# Altium PCB LimeSDR_1v2.PcbDoc (part 8 of 9) (continued)
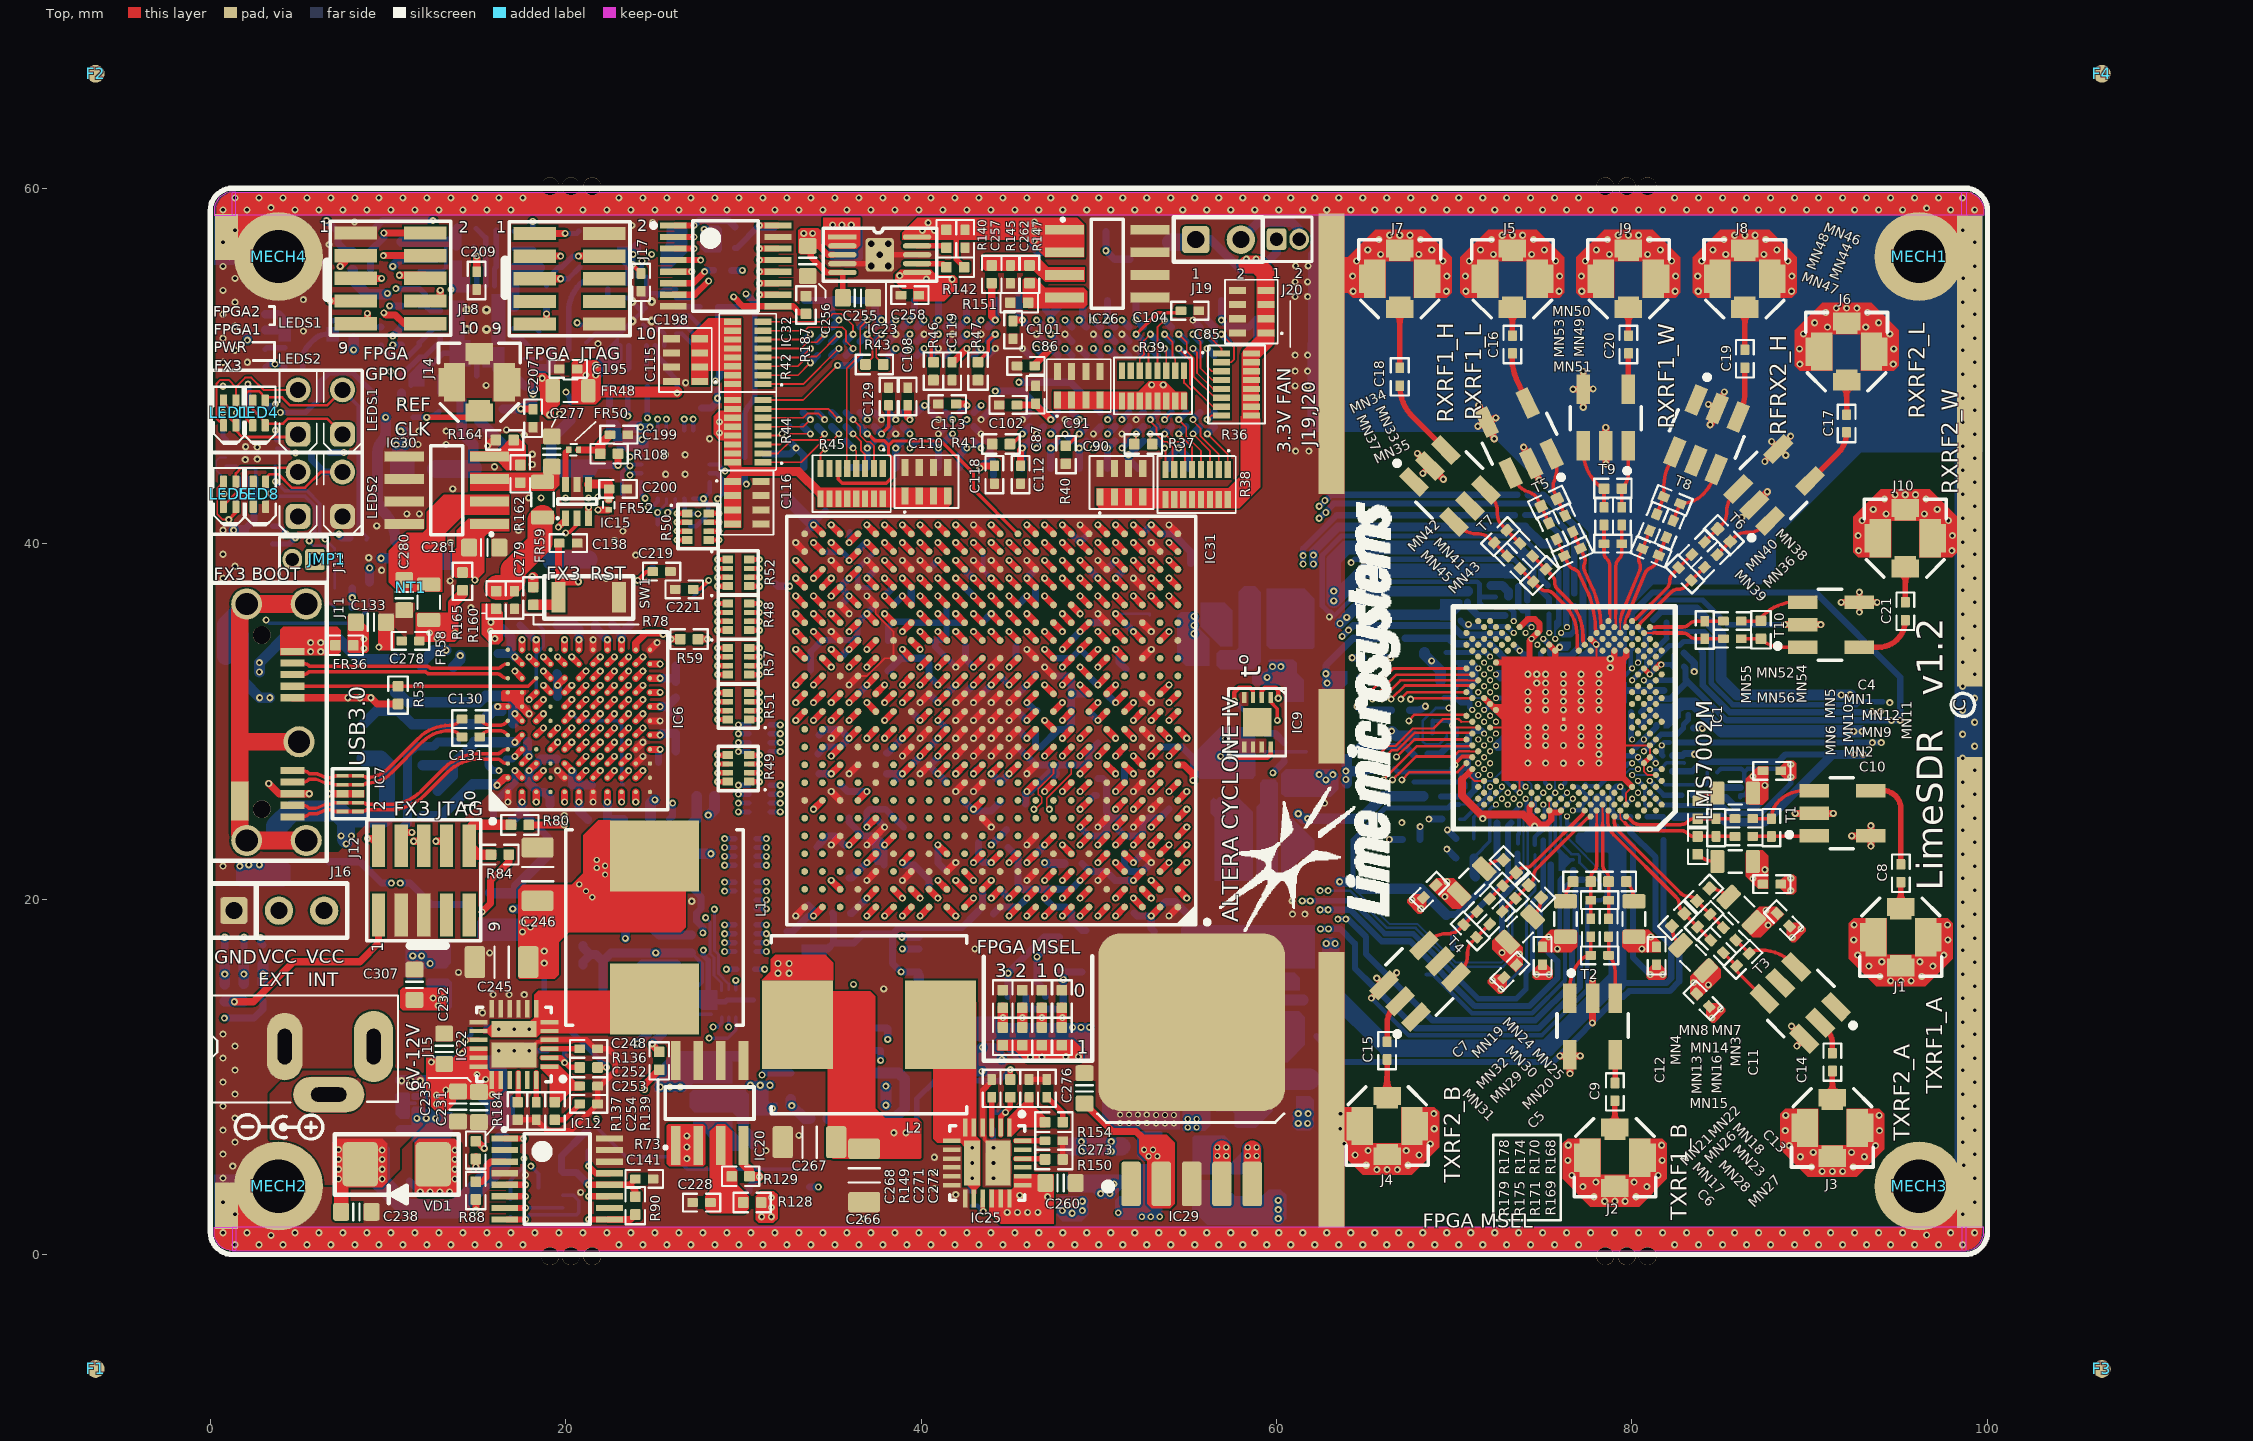
[diagram p0: Top view]
## Nets (pads, with @x,y where several pads share a name; then routed paths per layer and width w, separated by ;. In a path a pad name is that pad's centre, name@x,y a point inside that pad or via, vN(x,y) a via of type N, cw(c..) or ccw(c..) an arc to the next point about the centre after c; other vN are vias at no path point) (continued)
  Bottom w0.5: C153.1@17,24.5 17.1,24.5 17.55,24.95 ; v2(17.55,25.459) 17.55,24.95 ; C152.2@18,24.5 17.55,24.95
  Bottom w0.6: FR39.2@15.775,20.35 15.8,20.325 C150.2@17.225,20.325 17.225,20.725 19,22.5 C151.1@19,23.275
VCC3P3_SI: C217.1 C218.1 IC17.18 IC17.20 R115.1 | length 4.5
  L8 w0.4: v1(23.625,44.375) 23.95,44.375 24.3,44.725 v1(24.3,45.85)
  Bottom w0.25: C217.1@23.275,42.7 23.175,42.8 23.175,44.001 23.549,44.375 v1(23.625,44.375) 23.7,44.45 IC17.18@24.25,44.45
VCC5P0_USB: C132.1 C239.2 FR36.1 IC19.A1 IC19.B1 IC19.C1 J11.1 R124.2 | length 1.1
  Bottom w0.5: C132.1@10.675,7.05 11.725,7.05 11.775,7.1
  other v1: 11.638,7.663 12.163,7.663 12.688,7.663 5.65,33.925 6.225,33.925 5.65,34.425 6.225,34.425
VCC_EXT: C238.2 IC19.A4 IC19.B4 IC19.C4 R122.2 VD1.K | length 12
  Top w0.8: C238.2@7.375,2.4 7.375,4
  Bottom w1.1: 9.125,4.525 11.075,2.575 13.823,2.575 16.4,5.152 R122.2@16.4,6.375
  other v1: 7.225,4.25 9.675,4.25 7.225,4.8 9.675,4.8 7.225,5.35 9.675,5.35 9.675,5.875 7.225,5.9 10.775,9.775 11.3,9.775 11.825,9.775
VCC_INT: C231.2 C232.2 C233.2 C234.2 C235.2 C236.1 C241.2 C260.2 C278.2 FR58.1 IC19.A2 IC19.A3 IC19.B3 IC19.C3 IC22.16 IC22.17 IC22.18 IC22.19 IC22.20 IC25.16 IC25.17 IC25.18 IC25.19 IC25.20 J16.3 R122.1 R124.1 R165.2 R173.1 | length 54.2
  Top w0.6: 13.675,35.65 13.675,36.65 14.2,37.175 R165.2@14.2,37.375
  L3 w2: 13.7,35.425 12.775,35.425 11.825,34.475 11.825,31.945 12.85,30.92 12.85,26.163 21.3,17.713 21.3,11.725
  L4 w0.35: v1(9.975,54.075) 10.175,53.875 10.525,53.875 12.675,51.725 12.675,35.3 v1(12.35,34.975)
  Bottom w0.6: R173.1@8.025,55.375 8.025,54.825 8.824,54.026 v1@9.926,54.026
  other v1: 44.85,2.375 45.425,2.375 46,2.375 46.575,2.375 47.125,3.25 45.55,3.325 12.738,8.463 12.738,8.963 15.875,9 13.263,9.263 15.5,9.85 15.025,10.125 12.45,10.825 14.175,11.3 12.775,34.675 13.775,34.975
VDD_FX3: C164.2 C165.1 C166.1 C167.1 C168.1 C169.1 C170.1 C171.1 C172.1 C173.2 C174.2 C175.2 C176.2 C177.2 C178.2 C179.2 C180.2 FR46.2 IC6.B10 IC6.C3 IC6.E9 IC6.F11 IC6.H1 IC6.J11 IC6.L5 IC6.L7 | length 22.2
  Top w0.4: v2(17.15,33.625) IC6.B10@17.55,33.225 ; v2(17.95,27.225) IC6.C3@18.35,27.625 ; v2(19.55,32.025) IC6.E9@19.95,32.425 ; IC6.F11@20.75,34.025 v2(20.75,34.591) ; v2(22.35,25.459) IC6.H1@22.35,26.025 ; IC6.J11@23.15,34.025 v2(23.15,34.591) ; IC6.L5@24.75,29.225 v2(25.316,29.225) ; IC6.L7@24.75,30.825 v2(25.316,30.825)
  Bottom w0.5: 16.2,33.825 16.9,33.825 ; C179.2@16.45,35.225 16.925,34.75 16.925,33.85 16.9,33.825 ; v2(17.15,33.625) 16.95,33.825 16.9,33.825 ; C172.1@19.125,25.325 19.125,25.684 18.8,26.009 18.491,26.009 17.95,26.55 17.95,27.203 18.622,27.875 C180.2@19.5,27.875 ; C178.2@19.5,32.7 19.55,32.65 C170.1@19.55,31.4 ; C165.1@19.525,35.425 C173.2@20.525,35.425 20.75,35.2 v2(20.75,34.591) ; v2(22.35,25.459) 22.35,24.475 C177.2@23.275,24.475 ; C166.1@22.625,35.425 23.1,34.95 23.15,34.95 ; v2(23.15,34.591) 23.15,34.95 ; C174.2@23.625,35.425 23.15,34.95 ; v2(25.316,29.225) 25.416,29.325 C176.2@26.2,29.325 C168.1@26.2,28.325 ; v2(25.316,30.825) 25.7,30.825 ; C175.2@26.2,30.325 25.7,30.825 ; C167.1@26.2,31.325 25.7,30.825
  other v1: 1.675,21.85 2.175,21.925 2.775,21.925
VDIO_LMS: C2.2 C3.2 C225.2 C226.1 FR53.2 IC2.8 IC3.1 IC3.2 IC3.3 IC3.8 R3.1 R5.1 R6.1 R7.2 R8.2 R14.1 R15.1 R17.1 R19.1 R21.1 R23.1 R24.1 | length 129.7
  L3 w0.4: v1(38.875,15.9) 42.3,12.475 48.05,12.475 48.6,11.925 49.275,11.925 49.987,11.212 ; v1(43.95,23.05) 44.45,22.55 44.45,18 46.975,15.475 v1(48,15.475) 47.45,16.025 47.45,21.55 v1(46.95,22.05)
  L3 w0.8: 63.65,30.35 63.65,31.985 66.04,34.375 67.75,34.375 v1(68.725,33.4)
  L3 w1: v1(48,15.475) 49.25,15.475 51.075,13.65 ; 63.65,30.35 64.525,29.475 66.76,29.475 67.26,28.975
  L3 w1.5: 49.8,6.2 49.8,10.5 51.075,11.775 51.075,14.25 61.125,24.3 65.075,24.3 66.425,25.65 67.485,25.65 68.45,26.615 68.45,27.785 67.26,28.975
  L5 w0.6: v1(68.725,33.4) 69.75,34.425 72.25,34.425 73.087,33.587 73.087,28.987 72.725,28.625
  Bottom w0.4: IC3.3@33.975,17.2 34.75,17.2 35.075,17.525 ; R8.2@35.025,19.2 R8.2@35.075,19.15 35.075,17.525 ; IC3.8@39.875,15.9 v1(38.875,15.9) 38.4,16.375 38.4,18.032 ; R6.1@43.45,20.55 43.45,19.55 R5.1@43.075,19.175 42.3,18.4 38.768,18.4 38.4,18.032 ; v1(43.95,23.05) R7.2@44.8,23.9 ; R14.1@45.9,14.525 45.9,14.05 46.125,13.825 47.775,13.825 48,14.05 R15.1@48,14.525 v1(48,15.475) 48,15.675 IC2.8@47.775,15.9 C2.2@49.05,15.9 ; 35.075,17.525 36.225,17.525 36.732,18.032 38.4,18.032
  Bottom w0.5: v1@46.97,22.03 47,22 R3.1@48.05,22
  Bottom w0.6: C3.2@39.875,15.175 39.875,15.65 ; v1@61.231,24.794 61.5,24.525 v1(61.75,24.525) 64.747,24.525 65.997,25.775 R21.1@68.25,25.775 ; v1(66.475,29.45) 66.75,29.175 67.751,29.175 R19.1@67.751,29.169 ; R23.1@68.326,33.869 68.326,33.738 69.226,32.838 R17.1@69.226,32.294 ; 72.577,28.644 R24.1@72.951,29.019
  Bottom w1: C226.1@48.525,6.075 C225.2@51.275,6.075
  other v1: 49.025,5.8 50.7,5.8 49.025,6.35 50.7,6.35 61.225,24.8
  other v4: 72.351,28.644
VDIO_LMS_FPGA: C316.2 C317.2 C318.2 C319.2 C320.1 C332.1 C333.1 C334.1 C335.1 C336.1 C337.1 C338.1 C339.1 C340.1 C341.1 C342.1 C343.1 C344.1 C345.1 FR49.1 FR53.1 IC31.A2 IC31.A21 IC31.D5 IC31.D9 IC31.D11 IC31.D12 IC31.D14 IC31.D16 IC31.D18 IC31.E8 IC31.E19 IC31.G19 IC31.J20 IC31.L19 R64.1 R123.1 R125.1 | length 142.4
  Top w0.4: v2(33.95,19.05) IC31.A21@34.45,19.55 ; v2(34.95,27.05) IC31.J20@35.45,27.55 ; v2(35.95,23.05) IC31.E19@36.45,23.55 ; v2(35.95,29.05) IC31.L19@36.45,29.55 ; IC31.G19@36.45,25.55 v2(36.95,26.05) ; v2(36.95,22.05) IC31.D18@37.45,22.55 ; v2(38.95,22.05) IC31.D16@39.45,22.55 ; v1(40.95,23.05) IC31.D14@41.45,22.55 ; v2(42.95,22.05) IC31.D12@43.45,22.55 ; v2(43.95,22.05) IC31.D11@44.45,22.55 ; v2(45.95,22.05) IC31.D9@46.45,22.55 ; v2(46.95,23.05) IC31.E8@47.45,23.55 ; v2(49.95,22.05) IC31.D5@50.45,22.55 ; v2(52.95,19.05) IC31.A2@53.45,19.55
  L9 w0.35: v1(0.8,13.3) 2.175,13.3 4.175,15.3 28.725,15.3 29.225,14.8 30.175,14.8 30.6,15.225 30.6,19.983 30.825,20.208 30.825,21.147 31.103,21.425 31.575,21.425 v2(33.95,19.05)
  L6 w0.6: v1@27.825,57.675 27.825,56.575 28.65,55.75 28.65,54.526 28.299,54.175 27.376,54.175 26.501,55.05 23.05,55.05 21.325,56.775 19.476,56.775 19.125,56.424 19.125,54.575 20.05,53.65 20.05,52.176 21.576,50.65 21.949,50.65 22.9,49.699 22.9,46.225 22.225,45.55 22.225,43.3 27.375,38.15 27.375,26.375 29.65,24.1 34.9,24.1 v2(35.95,23.05) v2(36.95,22.05)
  Bottom w0.4: v1(0.8,13.3) 2.475,13.3 2.975,13.8 R64.1@2.975,14.25 ; C339.1@32.45,18.175 32.782,18.175 33.657,19.05 v2(33.95,19.05) 33.95,19.375 C335.1@33.675,19.65 ; C317.2@34.15,22.925 34.275,23.05 34.275,23.082 34.743,23.55 35.157,23.55 35.657,23.05 v2(35.95,23.05) ; C340.1@34.2,28.175 34.575,28.55 35.45,28.55 v2(35.95,29.05) 35.45,29.55 34.6,29.55 C332.1@34.275,29.225 ; C341.1@34.25,27.05 34.93,27.05 v2@34.94,27.04 ; C342.1@35.475,26.45 35.875,26.05 v2(36.95,26.05) ; C316.2@35.95,21.175 36.075,21.175 v2(36.95,22.05) ; v2(38.95,22.05) 39.1,21.9 C337.1@39.525,21.9 39.625,21.9 40.45,21.075 C319.2@40.45,20.575 ; v1(40.95,23.05) 40.95,22.025 C343.1@41.425,21.55 ; v2(42.95,22.05) 43.225,22.325 ; C338.1@43.225,23.175 43.225,22.325 ; v2(43.95,22.05) 43.5,22.05 43.225,22.325 ; v2(45.95,22.05) 46.425,22.525 C333.1@46.45,22.525 46.95,23.025 v2(46.95,23.05) ; v2(49.95,22.05) 50.45,22.55 C336.1@50.45,22.575 ; C344.1@51.975,19.225 52.15,19.05 v2(52.95,19.05) ; C345.1@53.125,18.175 52.95,18.35 v2(52.95,19.05) ; C318.2@54.95,19.2 54.3,19.85 C334.1@53.75,19.85 v2(52.95,19.05)
  Bottom w0.6: R125.1@48.5,3.975 R123.1@51.35,3.975
  other v1: 50.1,3.425 50.625,3.425 50.85,3.975 27.8,57.225 27.8,57.675
VDIO_LMS_LMK: C190.2 C191.2 C192.2 C193.2 C194.2 C198.2 FR49.2 IC13.14 IC13.18 | length 2.7
  Top w0.25: v1(23.775,55.7) 23.775,55.675 C198.2@24.25,55.2
  Bottom w0.25: IC13.14@23.55,54.988 IC13.14@23.55,55.325
  Bottom w0.4: C191.2@27.65,47.625 28.175,47.625 28.55,48 C194.2@28.55,48.625
  other v1: 23.8,56.275 24.838,56.275
  other v2: 28.55,48.175
VREF_DDR2: C104.1 C129.1 C258.1 C282.1 C283.1 C284.1 C285.1 C286.1 C287.1 C288.1 C289.1 C290.1 C291.1 C292.1 C293.1 IC4.J2 IC5.J2 IC23.6 IC31.AA18 IC31.AB4 IC31.M5 IC31.P5 IC31.R5 IC31.T3 IC31.U11 IC31.V9 IC31.V12 IC31.V16 IC31.W14 IC31.Y4 | length 29.9
  Top w0.2: v1(37.775,46.175) 38.175,46.575 C129.1@38.175,47.725 ; v1(52.1,51.775) 53.3,52.975 C104.1@54.425,52.975
  Top w0.4: v2(36.95,40.05) IC31.AA18@37.45,39.55 ; v2(38.95,37.05) IC31.V16@39.45,36.55 ; v2(40.95,38.05) IC31.W14@41.45,37.55 ; v2(42.95,37.05) IC31.V12@43.45,36.55 ; v2(43.95,36.05) IC31.U11@44.45,35.55 ; v2(45.95,37.05) IC31.V9@46.45,36.55 ; v2(49.95,30.05) IC31.M5@50.45,30.55 ; v2(49.95,32.05) IC31.P5@50.45,32.55 ; v2(49.95,33.05) IC31.R5@50.45,33.55 ; v2(50.95,39.05) IC31.Y4@51.45,38.55 ; v2(50.95,41.05) IC31.AB4@51.45,40.55 ; v2(51.95,35.05) IC31.T3@52.45,34.55
  L3 w0.4: v2(49.95,30.05) 49.45,30.55 49.45,31.55 v2(49.95,32.05)
  L4 w1: v2(49.95,32.05) v2(49.95,33.05) 51.55,33.05 51.95,33.45 v2(51.95,35.05)
  Bottom w0.4: C282.1@36.425,39.575 36.9,40.05 v2(36.95,40.05) ; IC5.J2@37.375,46.575 v1(37.775,46.175) ; C283.1@38.45,36.6 38.5,36.6 v2(38.95,37.05) ; v2(40.95,38.05) C284.1@41.45,37.55 ; C285.1@42.425,37.525 42.475,37.525 v2(42.95,37.05) ; C286.1@43.425,35.525 v2(43.95,36.05) ; C287.1@45.475,36.575 v2(45.95,37.05) ; C291.1@49.425,32.55 49.925,32.05 v2(49.95,32.05) ; C293.1@49.45,30.525 49.475,30.525 v2(49.95,30.05) C292.1@50.425,30.525 ; C289.1@50.45,38.525 50.95,39.025 v2(50.95,39.05) ; v2(50.95,41.05) 51.425,40.575 C288.1@51.45,40.575 ; C290.1@51.425,35.575 v2(51.95,35.05) ; v1(52.1,51.775) IC4.J2@52.5,51.375
  other v1: 40.3,54.875 41.75,54.875 38.8,55.075
VTT_DDR2: C85.1 C85.2 C85.3 C85.4 C90.1 C90.2 C90.3 C90.4 C91.1 C91.2 C91.3 C91.4 C110.1 C110.2 C110.3 C110.4 C115.1 C115.2 C115.3 C115.4 C116.1 C116.2 C116.3 C116.4 C255.2 C256.2 IC23.3 IC23.5 R36.9 R36.10 R36.11 R36.12 R36.13 R36.14 R36.15 R36.16 R38.9 R38.10 R38.11 R38.12 R38.13 R38.14 R38.15 R38.16 R39.9 R39.10 R39.11 R39.12 R39.13 R39.14 R39.15 R39.16 R42.9 R42.10 R42.11 R42.12 R42.13 R42.14 R42.15 R42.16 R44.9 R44.10 R44.11 R44.12 R44.13 R44.14 R44.15 R44.16 R45.9 R45.10 R45.11 R45.12 R45.13 R45.14 R45.15 R45.16 | length 73
  Top w0.3: IC23.5@35.575,55.25 35.6,55.225 C255.2@35.6,53.825
  Top w0.35: C256.2@33.625,56.75 C256.2@33.8,56.75 ; IC23.3@35.075,56.25 34.75,56.25 34.25,56.75 C256.2@33.8,56.75 ; IC23.5@35.575,55.25 34.698,55.25 33.8,56.148 C256.2@33.8,56.75
  Top w0.5: 29.65,44.1 29.7,44.05 33.1,44.05 R45.9@34.35,42.8
  Top w1: 58.35,55.7 58.9,55.7 59.375,55.225 59.375,51.45 58.525,50.6 58.525,46.275
  L5 w0.8: 44.85,53.875 45,53.725 45,50.685 46.76,48.925 v1(53.625,48.925)
  L5 w1.2: 28.825,46.525 31.25,48.95 31.25,51.725 33.675,54.15 33.95,53.875 44.85,53.875 54.175,53.875 55.9,55.6 58.75,55.6
  L5 w2: 33.675,54.15 33.675,57.375
  other v1: 28.65,46.225 28.65,46.85 52.975,48.925 58.3,56 58.85,56 33.4,57.45 33.9,57.45
pads on no net: C1.0 C2.0 C3.0 C4.0 C5.0 C6.0 C7.0 C8.0 C9.0 C10.0 C11.0 C12.0 C13.0 C14.0 C15.0 C16.0 C17.0 C18.0 C19.0 C20.0 C21.0 C81.0 C82.0 C83.0 C84.0 C86.0 C87.0 C88.0 C89.0 C92.0 C93.0 C94.0 C95.0 C96.0 C97.0 C98.0 C99.0 C100.0 C101.0 C102.0 C103.0 C104.0 C105.0 C106.0 C107.0 C108.0 C109.0 C111.0 C112.0 C113.0 C114.0 C117.0 C118.0 C119.0 C120.0 C121.0 C122.0 C123.0 C124.0 C125.0 C126.0 C127.0 C128.0 C129.0 C130.0 C131.0 C132.0 C133.0 C134.0 C135.0 C136.0 C137.0 C138.0 C139.0 C140.0 C141.0 C142.0 C143.0 C144.0 C145.0 C146.0 C147.0 C148.0 C149.0 C150.0 C151.0 C152.0 C153.0 C154.0 C155.0 C156.0 C157.0 C158.0 C159.0 C160.0 C161.0 C162.0 C163.0 C164.0 C165.0 C166.0 C167.0 C168.0 C169.0 C170.0 C171.0 C172.0 C173.0 C174.0 C175.0 C176.0 C177.0 C178.0 C179.0 C180.0 C181.0 C182.0 C183.0 C184.0 C185.0 C186.0 C187.0 C188.0 C189.0 C190.0 C191.0 C192.0 C193.0 C194.0 C195.0 C196.0 C197.0 C198.0 C199.0 C200.0 C201.0 C202.0 C203.0 C204.0 C205.0 C206.0 C207.0 C208.0 C209.0 C210.0 C211.0 C212.0 C213.0 C214.0 C215.0 C216.0 C217.0 C218.0 C219.0 C220.0 C221.0 C222.0 C223.0 C224.0 C225.0 C226.0 C227.0 C228.0 C229.0 C230.0 C231.0 C232.0 C233.0 C234.0 C235.0 C236.0 C237.0 C238.0 C239.0 C240.0 C241.0 C242.0 C243.0 C244.0 C245.0 C246.0 C247.0 C248.0 C249.0 C250.0 C251.0 C252.0 C253.0 C254.0 C255.0 C256.0 C257.0 C258.0 C259.0 C260.0 C261.0 C262.0 C263.0 C264.0 C265.0 C266.0 C267.0 C268.0 C269.0 C270.0 C271.0 C272.0 C273.0 C274.0 C275.0 C276.0 C277.0 C278.0 C279.0 C280.0 C281.0 C282.0 C283.0 C284.0 C285.0 C286.0 C287.0 C288.0 C289.0 C290.0 C291.0 C292.0 C293.0 C294.0 C295.0 C296.0 C297.0 C298.0 C299.0 C300.0 C301.0 C302.0 C303.0 C304.0 C305.0 C306.0 C307.0 C308.0 C309.0 C310.0 C311.0 C312.0 C313.0 C314.0 C315.0 C316.0 C317.0 C318.0 C319.0 C320.0 C321.0 C322.0 C323.0 C324.0 C325.0 C326.0 C327.0 C328.0 C329.0 C330.0 C331.0 C332.0 C333.0 C334.0 C335.0 C336.0 C337.0 C338.0 C339.0 C340.0 C341.0 C342.0 C343.0 C344.0 C345.0 C346.0 C347.0 C348.0 C349.0 C350.0 C351.0 C352.0 C353.0 C354.0 C355.0 C356.0 C357.0 C358.0 C359.0 C360.0 C361.0 C362.0 C363.0 C364.0 C365.0 C366.0 C367.0 C368.0 C369.0 C370.0 C371.0 C372.0 C373.0 C374.0 C375.0 C376.0 C377.0 C378.0 C379.0 C380.0 C381.0 C382.0 C383.0 C384.0 C385.0 C386.0 C387.0 C388.0 C389.0 C390.0 C391.0 C392.0 C393.0 C394.0 C395.0 C396.0 C397.0 C398.0 C399.0 F1.1 F2.1 F3.1 F4.1 FR36.0 FR37.0 FR38.0 FR39.0 FR40.0 FR41.0 FR42.0 FR43.0 FR44.0 FR45.0 FR46.0 FR48.0 FR49.0 FR51.0 FR53.0 FR54.0 FR55.0 FR56.0 FR57.0 FR58.0 FR59.0 FR60.0 FR61.0 IC1.A5 IC1.A21 IC1.AA1 IC1.AA3 IC1.AA5 IC1.AB2 IC1.AB4 IC1.AB6 IC1.AC3 IC1.AC5 IC1.AD2 IC1.AE1 IC1.AE5 IC1.AG3 IC1.AG33 IC1.AH2 IC1.AH4 IC1.AH32 IC1.AJ1 IC1.AJ3 IC1.AJ5 IC1.AJ11 IC1.AJ13 IC1.AJ21 IC1.AJ27 IC1.AJ29 IC1.AJ31 IC1.AJ33 IC1.AK2 IC1.AK4 IC1.AK6 IC1.AK8 IC1.AK10 IC1.AK26 IC1.AK28 IC1.AK30 IC1.AK32 IC1.AK34 IC1.AL3 IC1.AL5 IC1.AL7 IC1.AL9 IC1.AL11 IC1.AL27 IC1.AL29 IC1.AL31 IC1.AL33 IC1.AM6 IC1.AM10 IC1.AM28 IC1.AM30 IC1.AM34 IC1.AN27 IC1.AN29 IC1.AN31 IC1.AP30 IC1.AP32 IC1.B2 IC1.B4 IC1.B22 IC1.C1 IC1.C3 IC1.C5 IC1.C9 IC1.C13 IC1.C15 IC1.C17 IC1.C19 IC1.C31 IC1.D2 IC1.D4 IC1.D8 IC1.D10 IC1.D12 IC1.D14 IC1.D18 IC1.D22 IC1.D30 IC1.D32 IC1.E3 IC1.E9 IC1.E11 IC1.E13 IC1.E15 IC1.E23 IC1.E29 IC1.E31 IC1.F2 IC1.F4 IC1.F10 IC1.F12 IC1.F14 IC1.F16 IC1.F22 IC1.F26 IC1.F32 IC1.G1 IC1.G29 IC1.J1 IC1.M2 IC1.M6 IC1.P2 IC1.R3 IC1.R5 IC1.T4 IC1.T6 IC1.U1 IC1.U3 IC1.U5 IC1.V2 IC1.V4 IC1.V6 IC1.W3 IC1.Y2 IC1.Y4 IC1.Y6 IC4.A2 IC4.E2 IC4.R3 IC4.R7 IC4.R8 IC5.A2 IC5.E2 IC5.R3 IC5.R7 IC5.R8 IC6.A11 IC6.C4 IC6.D1 IC6.D2 IC6.D3 IC6.D6 IC6.D7 IC6.D11 IC9.9 IC10.3 IC10.11 IC12.2 IC12.10 IC13.4 IC13.9 IC13.10 IC13.17 IC17.3 IC18.9 IC19.B2 IC19.D4 IC22.21 IC22.23 IC25.21 IC25.23 IC29.0 IC29.1 IC31.A20 IC31.B21 IC31.B22 IC31.C17 IC31.C19 IC31.C20 IC31.C21 IC31.C22 IC31.D13 IC31.D19 IC31.D21 IC31.D22 IC31.E7 IC31.E10 IC31.E11 IC31.E12 IC31.E14 IC31.E15 IC31.E16 IC31.E21 IC31.E22 IC31.F7 IC31.F8 IC31.F9 IC31.F10 IC31.F11 IC31.F13 IC31.F14 IC31.F15 IC31.F16 IC31.F17 IC31.F19 IC31.F20 IC31.F21 IC31.F22 IC31.G7 IC31.G8 IC31.G9 IC31.G10 IC31.G11 IC31.G13 IC31.G14 IC31.G15 IC31.G16 IC31.G17 IC31.G18 IC31.H10 IC31.H11 IC31.H14 IC31.H15 IC31.H16 IC31.H17 IC31.H19 IC31.H20 IC31.H21 IC31.H22 IC31.J17 IC31.J21 IC31.J22 IC31.K17 IC31.K18 IC31.K21 IC31.K22 IC31.L21 IC31.L22 IC31.N7 IC31.P1 IC31.P2 IC31.P3 IC31.P4 IC31.P17 IC31.R1 IC31.R2 IC31.U1 IC31.U2 J11.0 J12.7 J12.9 J17.6 J17.7 J17.8 LED1.0 LED4.0 LED5.0 LED8.0 LED8.2 LED8.4 MN1.0 MN2.0 MN3.0 MN4.0 MN5.0 MN6.0 MN7.0 MN8.0 MN9.0 MN10.0 MN11.0 MN12.0 MN13.0 MN14.0 MN15.0 MN16.0 MN17.0 MN18.0 MN19.0 MN20.0 MN21.0 MN22.0 MN23.0 MN24.0 MN25.0 MN26.0 MN27.0 MN28.0 MN29.0 MN30.0 MN31.0 MN32.0 MN33.0 MN34.0 MN35.0 MN36.0 MN37.0 MN38.0 MN39.0 MN40.0 MN41.0 MN42.0 MN43.0 MN44.0 MN45.0 MN46.0 MN47.0 MN48.0 MN49.0 MN50.0 MN51.0 MN52.0 MN53.0 MN54.0 MN55.0 MN56.0 R1.0 R2.0 R3.0 R4.0 R5.0 R6.0 R7.0 R8.0 R9.0 R10.0 R11.0 R12.0 R13.0 R14.0 R15.0 R16.0 R17.0 R18.0 R19.0 R20.0 R21.0 R22.0 R23.0 R24.0 R37.0 R39.7 R39.8 R40.0 R41.0 R43.0 R45.1 R45.7 R46.0 R47.0 R53.0 R54.0 R56.0 R59.0 R60.0 R63.1 R63.3 R64.0 R65.0 R66.0 R67.0 R68.0 R69.0 R70.0 R71.0 R72.0 R73.0 R74.0 R75.0 R76.0 R77.0 R78.0 R79.0 R80.0 R81.0 R82.0 R83.0 R84.0 R85.0 R86.0 R87.0 R88.0 R89.0 R90.0 R91.0 R92.0 R93.0 R94.0 R95.0 R96.0 R97.0 R98.0 R99.0 R100.0 R101.0 R102.0 R103.0 R104.0 R105.0 R106.0 R107.0 R108.0 R109.0 R110.0 R111.0 R112.0 R113.0 R114.0 R115.0 R116.0 R117.0 R118.0 R119.0 R120.0 R121.0 R122.0 R123.0 R124.0 R125.0 R126.0 R127.0 R128.0 R129.0 R130.0 R131.0 R132.0 R133.0 R134.0 R135.0 R136.0 R137.0 R138.0 R139.0 R140.0 R141.0 R142.0 R143.0 R144.0 R145.0 R146.0 R147.0 R148.0 R149.0 R150.0 R151.0 R152.0 R153.0 R154.0 R155.0 R156.0 R157.0 R158.0 R159.0 R160.0 R161.0 R162.0 R163.0 R164.0 R165.0 R166.0 R167.0 R168.0 R169.0 R170.0 R171.0 R172.0 R173.0 R174.0 R175.0 R176.0 R177.0 R178.0 R179.0 R180.0 R181.0 R182.0 R183.0 R184.0 R185.0 R186.0 R187.0 R188.0 R189.0 R190.0 T3.1 T3.5 T4.1 T4.5 T7.1 T7.5 T8.1 T8.5 VD1.0 VT1.0 XT1.0 XT2.3 XT5.0
copper on no net: | length 1.5
  Bottom w0.2: 17.675,50.4 18.65,50.4
  Bottom w0.4: 56.1,52.575 56.5,52.175

## Polygon pours and split planes (outlines as drawn)
GND on L8 "GND_L08_P031" (solid, remove dead copper, pour order 31): 0,1.27 0,58.73 cw(c1.27,58.73) 1.27,60 98.73,60 cw(c98.73,58.73) 100,58.73 100,1.27 cw(c98.73,1.27) 98.73,0 1.27,0 cw(c1.27,1.27)
VCC1P8_LMS on L8 "VCC1P8_LMS_L6" (solid, remove dead copper, pour order 11): 60.675,5.2 60.675,17.625 64.875,21.825 82.475,21.825 85.8,25.15 85.8,25.925 85.8,27.2 86.75,28.15 86.825,28.225 91.875,28.225 92.075,28.225 93.925,26.375 93.925,9.7 87.9,3.675 62.2,3.675
VCC3P3 on L8 "VCC3P3_L6" (solid, remove dead copper, pour order 1): 22.852,22.375 9.15,22.375 8.7,21.925 8.7,2.325 9.375,1.65 45.35,1.65 58.25,1.65 58.25,17.225 43.925,17.225 40.025,13.325 29.35,13.325 24.425,18.25 24.425,20.85 24.375,20.9
GND on L4 "GND_L04_P027" (solid, remove dead copper, pour order 27): 0,1.27 0,58.73 cw(c1.27,58.73) 1.27,60 98.73,60 cw(c98.73,58.73) 100,58.73 100,1.27 cw(c98.73,1.27) 98.73,0 1.27,0 cw(c1.27,1.27)
VCC5P0_USB on L4 "VCC5P0_USB_L4" (solid, remove dead copper, pour order 2): 7.675,36.725 8.975,35.425 15.75,28.65 15.75,17.35 18.2,14.9 18.2,7.1 17.2,6.1 1.9,6.1 1.125,6.875 1.125,35.5 2.35,36.725
VCC3P3 on L4 "VCC3P3" (solid, remove dead copper, pour order 4): 46.725,58.425 30.45,58.425 30.175,58.15 30.175,57.7 30.45,57.425 31.125,57.425 34.225,54.325 44.325,54.325 46.75,56.75
VCC2P5 on L4 "VCC2P5_L4" (solid, remove dead copper, pour order 5): 30.275,4.9 30.975,5.6 35.075,5.6 41.675,12.2 46.6,12.2 48.775,12.2 49.325,11.65 49.65,11.325 49.65,4.325 49.65,2.5 48.875,1.725 30.75,1.725 30.275,2.2
GND on L3 "GND_L03_P026" (solid, remove dead copper, pour order 26): 0,1.27 0,58.73 cw(c1.27,58.73) 1.27,60 98.73,60 cw(c98.73,58.73) 100,58.73 100,1.27 cw(c98.73,1.27) 98.73,0 1.27,0 cw(c1.27,1.27)
VCC1P8_LMS on L3 "VDD1P8_LMS_L3nr2" (solid, remove dead copper, pour order 23): 66.925,38.575 66.925,37.075 62.325,32.475 50,32.475 47.675,30.15 39.85,30.15 38.45,31.55 38.45,36.9 36.975,38.375 32.925,38.375 29.125,42.175 29.125,43.475 25.725,46.875 19.65,46.875 19.175,46.875 18.2,47.85 18.2,51.25 18.8,51.85 26.4,51.85 29.7,48.55 31.175,47.075 31.175,45.85 33.625,43.4 35.75,43.4 39.95,43.4 42.675,40.675 42.675,35.8 43.675,34.8 45.225,34.8 52.325,41.9 64.675,41.9 66.925,39.65
VCC3P3_FX3 on L3 "VCC3P3_FX3_L3" (solid, remove dead copper, pour order 16): 16.6,25.175 15.1,26.675 15.1,30.35 15.1,31.875 16.9,33.675 18.125,34.9 19.75,34.9 20.025,34.625 20.025,32.675 18.375,31.025 18.375,30.05 18.375,25.475 18.075,25.175
VCC1P8_DDR2 on L3 "VCC1P8_DDR2" (solid, remove dead copper, pour order 3): 32.65,58.3 31.525,57.175 31.525,46 33.725,43.8 55.575,43.8 57.325,45.55 57.325,51.2 57.325,52.65 55.075,54.9 45.1,54.9 41.7,58.3
VCC_INT on L3 "VCC5P0_L3" (solid, remove dead copper, pour order 6): 12.35,11.825 47.3,11.825 48.475,10.65 48.475,2.9 47.05,1.475 12.475,1.475 12.35,1.6
VCC_INT on L3 "VCC_INT_L3_2" (solid, remove dead copper, pour order 13): 12.35,10.8 12.35,14.825 10.15,17.025 6.125,17.025 4.975,18.175 4.975,22.725 6.35,24.1 14.975,24.1 20.875,18.2 20.875,10.8
VCC_EXT on L3 "VCC_EXT_L3" (solid, remove dead copper, pour order 14): 12.1,4 12.1,9.9 11.65,10.35 4.65,10.35 4.075,9.775 3.35,9.05 3.35,8.175 3.35,5.25 4.625,3.975
VCC1P2 on L10 "VCC1P2_L8" (solid, remove dead copper, pour order 7): 29.575,32.225 48.05,32.225 49.95,30.325 49.95,28.825 35.525,14.4 30.85,14.4 27.55,17.7 27.55,20.55 27.55,30.2
VDD_FX3 on L10 "VDD_FX3_L10" (solid, remove dead copper, pour order 22): 18.3,35.95 24,35.95 26.2,33.75 26.775,33.175 26.775,27.175 26.775,25.95 24.525,23.7 9.675,23.7 6.775,20.8 1.375,20.8 0.306,21.869 0.306,24.381 0.306,29.061 7.195,35.95
VREF_DDR2 on L10 "VREF_DDR2_L8" (solid, remove dead copper, pour order 8): 36.525,56.6 33.875,53.95 33.875,42.775 33.875,38.25 37.325,34.8 55.05,34.8 56.075,35.825 56.85,36.6 56.85,45.575 56.85,52.75 53,56.6
GND on L10 "GND_L10_P033" (solid, remove dead copper, pour order 33): 0,1.27 0,58.73 cw(c1.27,58.73) 1.27,60 98.73,60 cw(c98.73,58.73) 100,58.73 100,1.27 cw(c98.73,1.27) 98.73,0 1.27,0 cw(c1.27,1.27)
VCC1P8_FX3 on L5 "VCC1P8_FX3_L5" (solid, remove dead copper, pour order 19): 23.7,35 23.7,26.925 12.8,16.025 10.25,16.025 10.025,16.25 10.025,18.1 10.025,19.575 12.5,22.05 14.375,23.925 17.15,26.7 17.15,34.475 17.675,35 20.275,35
VDIO_LMS_LMK on L5 "+3.3V_DIG_LMK_L5" (solid, remove dead copper, pour order 18): 27.75,46.475 29.075,47.8 29.075,55.5 27.475,57.1 24.75,57.1 20.925,57.1 19.45,55.625 19.45,48.05 21.025,46.475
VDIO_LMS_FPGA on L5 "VDIO_LMS_FPGA_L5" (solid, remove dead copper, pour order 9): 32.2,26 32.2,18.575 33.575,17.2 37.275,17.2 41.037,13.438 41.037,4.7 42.969,2.769 50.7,2.769 52.95,5.019 52.95,17.2 54.7,18.95 54.7,28.55 53,30.25 36.45,30.25
VCC1P8 on L5 "VCC1P8_L5" (solid, remove dead copper, pour order 10): 36.125,30.625 54.025,30.625 54.575,31.175 54.575,42.125 54.15,42.55 52,44.7 25.6,44.7 24.3,43.4 24.3,26.842 12.225,14.767 12.225,7.75 31.786,7.75 33.1,9.064 33.1,17.1 31.8,18.4 31.8,26.3
GND on L5 "GND_L05_P028" (solid, remove dead copper, pour order 28): 0,1.27 0,58.73 cw(c1.27,58.73) 1.27,60 98.73,60 cw(c98.73,58.73) 100,58.73 100,1.27 cw(c98.73,1.27) 98.73,0 1.27,0 cw(c1.27,1.27)
NetC237_1 on L5 "NETC237_1_L05_P020" (solid, remove dead copper, pour order 20): 14.2,6.25 12.525,6.25 11.3,7.475 11.3,16.05 7.8,19.55 6.7,20.65 3.275,20.65 2.775,20.65 2.4,20.275 1.8,19.675 1.8,9.3 8.375,2.725 13.75,2.725 14.325,3.3 14.325,6.125
GND on Top "GND_L01_P024" (solid, remove dead copper, pour order 24): -0.05,1.27 -0.05,58.73 cw(c1.22,58.73) 1.22,60 98.68,60 cw(c98.68,58.73) 99.95,58.73 99.95,1.27 cw(c98.68,1.27) 98.68,0 1.22,0 cw(c1.22,1.27)
VCC_EXT on Top "VCC_EXT_L3" (solid, remove dead copper, pour order 15): 12.1,9.9 11.65,10.35 4.65,10.35 4.075,9.775 3.35,9.05 3.35,8.175 3.35,5.25 4.65,4 9.65,3.775 10.663,4.787 10.663,5.975 12.1,7.413
GND on L6 "GND_L06_P029" (solid, remove dead copper, pour order 29): 0,1.27 0,58.73 cw(c1.27,58.73) 1.27,60 98.73,60 cw(c98.73,58.73) 100,58.73 100,1.27 cw(c98.73,1.27) 98.73,0 1.27,0 cw(c1.27,1.27)
VCC3P3 on L6 "VCC3P3_L6" (solid, remove dead copper, pour order 21): 54.225,2.05 59.975,2.05 59.975,28.85 60.65,29.525 61.725,30.6 61.725,36.575 59.575,38.725 59.575,50.125 59.575,57.6 58.8,58.375 31.525,58.375 29.8,58.375 29.6,58.175 29.6,45.575 32.925,42.25 48.075,42.25 50.35,39.975 50.35,30.65 50.35,2.85 51.15,2.05
VCC1P8_FX3 on L6 "VCC1P8_FX3_L3" (solid, remove dead copper, pour order 17): 18.675,24.9 18.675,31.125 20.175,32.625 20.175,34.875 20.45,35.15 21.925,35.15 25.575,35.15 25.925,34.8 25.925,32.625 25.35,32.05 25.35,21.35 19.8,15.8 9.575,15.8
FX3_GND on L2 "FX3_GND_L2" (solid, remove dead copper, pour order 0): 2.7,37.175 14.966,37.175 17.55,34.591 17.55,25.459 14.766,22.675 2.675,22.675
GND on L2 "GND_L02_P025" (solid, remove dead copper, pour order 25): 0,1.27 0,58.73 cw(c1.27,58.73) 1.27,60 98.73,60 cw(c98.73,58.73) 100,58.73 100,1.27 cw(c98.73,1.27) 98.73,0 1.27,0 cw(c1.27,1.27)
GND on L7 "GND_L07_P030" (solid, remove dead copper, pour order 30): 0,1.27 0,58.73 cw(c1.27,58.73) 1.27,60 98.73,60 cw(c98.73,58.73) 100,58.73 100,1.27 cw(c98.73,1.27) 98.73,0 1.27,0 cw(c1.27,1.27)
GND on L9 "GND_L09_P032" (solid, remove dead copper, pour order 32): 0,1.27 0,58.73 cw(c1.27,58.73) 1.27,60 98.73,60 cw(c98.73,58.73) 100,58.73 100,1.27 cw(c98.73,1.27) 98.73,0 1.27,0 cw(c1.27,1.27)
GND on L11 "GND_L11_P034" (solid, remove dead copper, pour order 34): 0,1.27 0,58.73 cw(c1.27,58.73) 1.27,60 98.73,60 cw(c98.73,58.73) 100,58.73 100,1.27 cw(c98.73,1.27) 98.73,0 1.27,0 cw(c1.27,1.27)
GND on Bottom "GND_L12_P035" (solid, remove dead copper, pour order 35): 0,1.27 0,58.73 cw(c1.27,58.73) 1.27,60 98.73,60 cw(c98.73,58.73) 100,58.73 100,1.27 cw(c98.73,1.27) 98.73,0 1.27,0 cw(c1.27,1.27)

## Keep-outs
Top:
  region net GND: 1.25,0.225 98.8,0.225 98.8,1.525 1.25,1.525
  region net GND: 1.25,59.775 98.8,59.775 98.8,58.475 1.25,58.475
  region net GND: 1.45,0.225 1.25,0.225 cw(c1.25,1.25) 0.225,1.25 0.225,1.525 1.45,1.525
  region net GND: 98.566,0.225 98.766,0.225 ccw(c98.766,1.25) 99.791,1.25 99.791,1.525 98.566,1.525
  region net GND: 98.566,59.775 98.766,59.775 cw(c98.766,58.75) 99.791,58.75 99.791,58.475 98.566,58.475
  region net GND: 1.45,59.775 1.25,59.775 ccw(c1.25,58.75) 0.225,58.75 0.225,58.475 1.45,58.475
Bottom:
  region net GND: 1.25,0.225 98.8,0.225 98.8,1.525 1.25,1.525
  region net GND: 1.25,59.775 98.8,59.775 98.8,58.475 1.25,58.475
  region net GND: 1.45,0.225 1.25,0.225 cw(c1.25,1.25) 0.225,1.25 0.225,1.525 1.45,1.525
  region net GND: 98.566,0.225 98.766,0.225 ccw(c98.766,1.25) 99.791,1.25 99.791,1.525 98.566,1.525
  region net GND: 98.566,59.775 98.766,59.775 cw(c98.766,58.75) 99.791,58.75 99.791,58.475 98.566,58.475
  region net GND: 1.4,59.775 1.2,59.775 ccw(c1.2,58.75) 0.175,58.75 0.175,58.475 1.4,58.475